# KiCad board panel.kicad_pcb (continued)
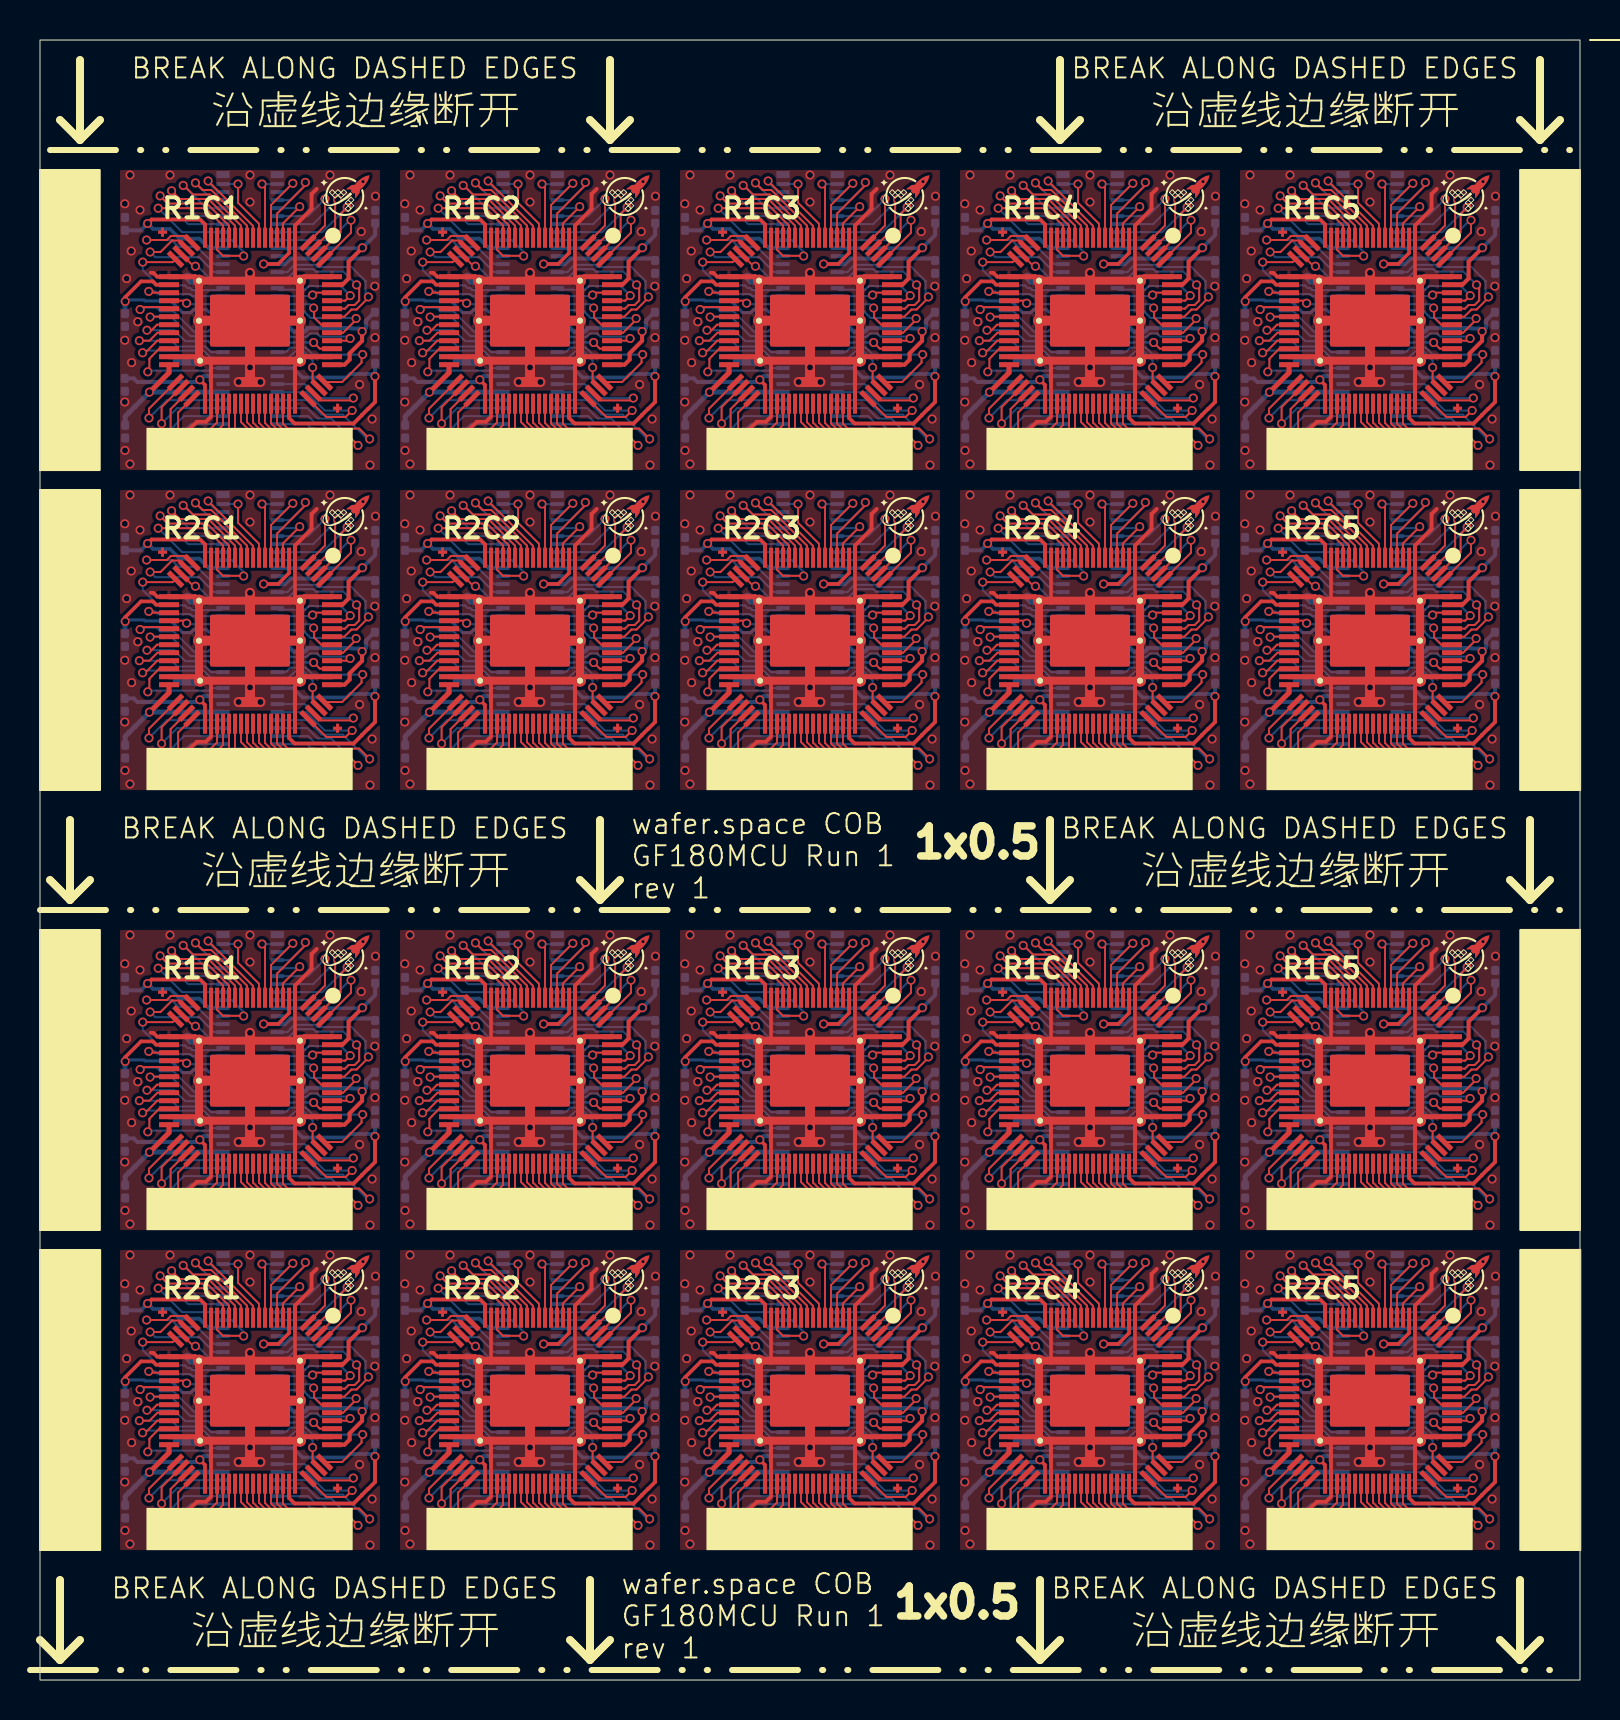
[diagram p0: board, top side]
## Routing (per net, layer and track width the routed paths; a pad name or vN(x,y) marks a point on that pad's centre or on a via; arc(x,y) is an arc through that point) (continued)
VDD_CORE_0: length 128.3
  Top w0.18: U116.41 36.25,48.75 v1(35.99,49.01) ; U118.41 50.25,48.75 v1(49.99,49.01) ; U118#2.41 50.25,10.75 v1(49.99,11.01) ; v1(35.99,11.01) 36.25,10.75 U116#2.41 ; U120#2.41 64.25,48.75 v1(63.99,49.01) ; U106.41 36.25,64.75 v1(35.99,65.01) ; U112#2.41 8.25,10.75 v1(7.99,11.01) ; U108#2.41 50.25,64.75 v1(49.99,65.01) ; v1(63.99,65.01) 64.25,64.75 U110.41 ; v1(7.99,27.01) 8.25,26.75 U102.41 ; v1(7.99,49.01) 8.25,48.75 U112.41 ; v1(21.99,11.01) 22.25,10.75 U114#2.41 ; v1(49.99,27.01) 50.25,26.75 U108.41 ; U104.41 22.25,64.75 v1(21.99,65.01) ; U106#2.41 36.25,26.75 v1(35.99,27.01) ; U102#2.41 8.25,64.75 v1(7.99,65.01) ; v1(63.99,11.01) 64.25,10.75 U120.41 ; v1(21.99,49.01) 22.25,48.75 U114.41 ; v1(63.99,27.01) 64.25,26.75 U110#2.41 ; U104#2.41 22.25,26.75 v1(21.99,27.01)
  Bottom w0.2: U101.46 8.18,27.2 v1(7.99,27.01) 7.88,26.9 4.87,26.9 4.68,27.08 C103.1 ; U111.46 8.18,49.2 v1(7.99,49.01) 7.88,48.9 4.87,48.9 4.68,49.08 C143#2.1 ; C127.1 46.68,65.08 46.87,64.9 49.88,64.9 v1(49.99,65.01) 50.18,65.19 U107#2.46 ; C111.1 18.68,27.08 18.87,26.9 21.88,26.9 v1(21.99,27.01) 22.18,27.2 U103#2.46 ; C135.1 60.68,27.08 60.87,26.9 63.88,26.9 v1(63.99,27.01) 64.18,27.2 U109#2.46 ; C103#2.1 4.68,65.08 4.87,64.9 7.88,64.9 v1(7.99,65.01) 8.18,65.19 U101#2.46 ; U119.46 64.18,11.2 v1(63.99,11.01) 63.88,10.9 60.87,10.9 60.68,11.08 C175#2.1 ; U105#2.46 36.18,65.19 v1(35.99,65.01) 35.88,64.9 32.87,64.9 32.68,65.08 C119#2.1 ; U117#2.46 50.18,49.2 v1(49.99,49.01) 49.88,48.9 46.87,48.9 46.68,49.08 C167#2.1 ; C143.1 4.68,11.08 4.87,10.9 7.88,10.9 v1(7.99,11.01) 8.18,11.2 U111#2.46 ; U115.46 36.18,49.2 v1(35.99,49.01) 35.88,48.9 32.87,48.9 32.68,49.08 C159#2.1 ; U113#2.46 22.18,11.2 v1(21.99,11.01) 21.88,10.9 18.87,10.9 18.68,11.08 C151#2.1 ; C175.1 60.68,49.08 60.87,48.9 63.88,48.9 v1(63.99,49.01) 64.18,49.2 U119#2.46 ; U103.46 22.18,65.19 v1(21.99,65.01) 21.88,64.9 18.87,64.9 18.68,65.08 C111#2.1 ; U115#2.46 36.18,11.2 v1(35.99,11.01) 35.88,10.9 32.87,10.9 32.68,11.08 C159.1 ; U117.46 50.18,11.2 v1(49.99,11.01) 49.88,10.9 46.87,10.9 46.68,11.08 C167.1 ; U113.46 22.18,49.2 v1(21.99,49.01) 21.88,48.9 18.87,48.9 18.68,49.08 C151.1 ; U109.46 64.18,65.19 v1(63.99,65.01) 63.88,64.9 60.87,64.9 60.68,65.08 C135#2.1 ; U107.46 50.18,27.2 v1(49.99,27.01) 49.88,26.9 46.87,26.9 46.68,27.08 C127#2.1 ; U105.46 36.18,27.2 v1(35.99,27.01) 35.88,26.9 32.87,26.9 32.68,27.08 C119.1
VDD_CORE_1: length 159.9
  Top w0.18: 68.45,56.11 68.45,55.34 67.91,54.8 v1(67.18,54.8) ; 40.45,34.11 40.45,33.34 39.9,32.8 v1(39.18,32.8) ; v1(39.18,16.8) 39.9,16.8 40.45,17.34 40.45,18.11 ; 12.45,18.11 12.45,17.34 11.9,16.8 v1(11.18,16.8) ; 68.45,34.11 68.45,33.34 67.91,32.8 v1(67.18,32.8) ; v1(11.18,54.8) 11.9,54.8 12.45,55.34 12.45,56.11 ; 40.45,56.11 40.45,55.34 39.9,54.8 v1(39.18,54.8) ; U106.6 40.45,71.34 39.9,70.8 v1(39.18,70.8) ; v1(53.18,54.8) 53.9,54.8 54.45,55.34 54.45,56.11 ; U104.6 26.45,71.34 25.9,70.8 v1(25.18,70.8) ; 68.45,18.11 68.45,17.34 67.91,16.8 v1(67.18,16.8) ; v1(25.18,32.8) 25.9,32.8 26.45,33.34 26.45,34.11 ; U110.6 68.45,71.34 67.91,70.8 v1(67.18,70.8) ; 54.45,34.11 54.45,33.34 53.9,32.8 v1(53.18,32.8) ; 12.45,34.11 12.45,33.34 11.9,32.8 v1(11.18,32.8) ; 26.45,56.11 26.45,55.34 25.9,54.8 v1(25.18,54.8) ; v1(53.18,16.8) 53.9,16.8 54.45,17.34 54.45,18.11 ; v1(53.18,70.8) 53.9,70.8 54.45,71.34 U108#2.6 ; v1(25.18,16.8) 25.9,16.8 26.45,17.34 26.45,18.11 ; v1(11.18,70.8) 11.9,70.8 12.45,71.34 U102#2.6
  Bottom w0.2: C168#2.1 58.65,17.08 54.53,17.08 54.25,16.8 U117.11 53.86,16.8 v1(53.18,16.8) ; v1(53.18,70.8) 53.86,70.8 U107#2.11 54.25,70.8 54.53,71.08 58.65,71.08 C128#2.1 ; C160#2.1 44.65,55.08 40.53,55.08 40.25,54.8 U115.11 39.86,54.8 v1(39.18,54.8) ; C176#2.1 72.65,55.08 68.53,55.08 68.25,54.8 U119#2.11 67.86,54.8 v1(67.18,54.8) ; v1(39.18,32.8) 39.86,32.8 U105.11 40.25,32.8 40.53,33.08 44.65,33.08 C120.1 ; C144.1 16.65,55.08 12.53,55.08 12.25,54.8 U111.11 11.86,54.8 v1(11.18,54.8) ; C168.1 58.65,55.08 54.53,55.08 54.25,54.8 U117#2.11 53.86,54.8 v1(53.18,54.8) ; v1(11.18,32.8) 11.86,32.8 U101.11 12.25,32.8 12.53,33.08 16.65,33.08 C104.1 ; v1(11.18,70.8) 11.86,70.8 U101#2.11 12.25,70.8 12.53,71.08 16.65,71.08 C104#2.1 ; v1(67.18,32.8) 67.86,32.8 U109#2.11 68.25,32.8 68.53,33.08 72.65,33.08 C136#2.1 ; v1(67.18,16.8) 67.86,16.8 U119.11 68.25,16.8 68.53,17.08 72.65,17.08 C176.1 ; v1(11.18,16.8) 11.86,16.8 U111#2.11 12.25,16.8 12.53,17.08 16.65,17.08 C144#2.1 ; C128.1 58.65,33.08 54.53,33.08 54.25,32.8 U107.11 53.86,32.8 v1(53.18,32.8) ; C120#2.1 44.65,71.08 40.53,71.08 40.25,70.8 U105#2.11 39.86,70.8 v1(39.18,70.8) ; C152.1 30.65,55.08 26.53,55.08 26.25,54.8 U113.11 25.86,54.8 v1(25.18,54.8) ; C152#2.1 30.65,17.08 26.53,17.08 26.25,16.8 U113#2.11 25.86,16.8 v1(25.18,16.8) ; C112.1 30.65,33.08 26.53,33.08 26.25,32.8 U103#2.11 25.86,32.8 v1(25.18,32.8) ; C160.1 44.65,17.08 40.53,17.08 40.25,16.8 U115#2.11 39.86,16.8 v1(39.18,16.8) ; v1(25.18,70.8) 25.86,70.8 U103.11 26.25,70.8 26.53,71.08 30.65,71.08 C112#2.1 ; v1(67.18,70.8) 67.86,70.8 U109.11 68.25,70.8 68.53,71.08 72.65,71.08 C136.1
VDD_IO_0: length 185.5
  Top w0.19: U102#2.20 8.25,72.78 8.01,73.03 5.58,73.03 v1(5.38,72.83) ; v1(33.38,72.83) 33.58,73.03 36.01,73.03 36.25,72.78 U106.20 ; 36.25,56.11 36.25,56.78 36.01,57.03 33.58,57.03 v1(33.38,56.83) ; v1(19.38,34.83) 19.58,35.03 22.01,35.03 22.25,34.78 22.25,34.11 ; v1(61.38,18.83) 61.58,19.03 64,19.03 64.25,18.78 64.25,18.11 ; 36.25,34.11 36.25,34.78 36.01,35.03 33.58,35.03 v1(33.38,34.83) ; U104.20 22.25,72.78 22.01,73.03 19.58,73.03 v1(19.38,72.83) ; 8.25,18.11 8.25,18.78 8.01,19.03 5.58,19.03 v1(5.38,18.83) ; 22.25,56.11 22.25,56.78 22.01,57.03 19.58,57.03 v1(19.38,56.83) ; v1(19.38,18.83) 19.58,19.03 22.01,19.03 22.25,18.78 22.25,18.11 ; 64.25,34.11 64.25,34.78 64,35.03 61.58,35.03 v1(61.38,34.83) ; v1(61.38,56.83) 61.58,57.03 64,57.03 64.25,56.78 64.25,56.11 ; 8.25,56.11 8.25,56.78 8.01,57.03 5.58,57.03 v1(5.38,56.83) ; v1(5.38,34.83) 5.58,35.03 8.01,35.03 8.25,34.78 8.25,34.11 ; 36.25,18.11 36.25,18.78 36.01,19.03 33.58,19.03 v1(33.38,18.83) ; v1(61.38,72.83) 61.58,73.03 64,73.03 64.25,72.78 U110.20 ; U108#2.20 50.25,72.78 50.01,73.03 47.58,73.03 v1(47.38,72.83) ; v1(47.38,56.83) 47.58,57.03 50.01,57.03 50.25,56.78 50.25,56.11 ; v1(47.38,34.83) 47.58,35.03 50.01,35.03 50.25,34.78 50.25,34.11 ; 50.25,18.11 50.25,18.78 50.01,19.03 47.58,19.03 v1(47.38,18.83)
  Bottom w0.19: v1(61.38,18.83) 61.65,18.55 62.5,18.55 62.98,18.07 63.96,18.07 64.44,17.59 U119.62 ; U113#2.62 22.43,17.59 21.96,18.07 20.98,18.07 20.5,18.55 19.65,18.55 v1(19.38,18.83) ; U103.62 22.43,71.59 21.96,72.07 20.98,72.07 20.5,72.55 19.65,72.55 v1(19.38,72.83) ; v1(61.38,56.83) 61.65,56.55 62.5,56.55 62.98,56.07 63.96,56.07 64.44,55.59 U119#2.62 ; U109.62 64.44,71.59 63.96,72.07 62.98,72.07 62.5,72.55 61.65,72.55 v1(61.38,72.83) ; v1(47.38,56.83) 47.65,56.55 48.5,56.55 48.98,56.07 49.96,56.07 50.43,55.59 U117#2.62 ; v1(5.38,18.83) 5.65,18.55 6.5,18.55 6.98,18.07 7.96,18.07 8.43,17.59 U111#2.62 ; U111.62 8.43,55.59 7.96,56.07 6.98,56.07 6.5,56.55 5.65,56.55 v1(5.38,56.83) ; U107#2.62 50.43,71.59 49.96,72.07 48.98,72.07 48.5,72.55 47.65,72.55 v1(47.38,72.83) ; v1(5.38,72.83) 5.65,72.55 6.5,72.55 6.98,72.07 7.96,72.07 8.43,71.59 U101#2.62 ; v1(61.38,34.83) 61.65,34.55 62.5,34.55 62.98,34.07 63.96,34.07 64.44,33.59 U109#2.62 ; v1(33.38,18.83) 33.65,18.55 34.5,18.55 34.98,18.07 35.96,18.07 36.43,17.59 U115#2.62 ; U105#2.62 36.43,71.59 35.96,72.07 34.98,72.07 34.5,72.55 33.65,72.55 v1(33.38,72.83) ; v1(19.38,34.83) 19.65,34.55 20.5,34.55 20.98,34.07 21.96,34.07 22.43,33.59 U103#2.62 ; v1(33.38,56.83) 33.65,56.55 34.5,56.55 34.98,56.07 35.96,56.07 36.43,55.59 U115.62 ; U113.62 22.43,55.59 21.96,56.07 20.98,56.07 20.5,56.55 19.65,56.55 v1(19.38,56.83) ; U101.62 8.43,33.59 7.96,34.07 6.98,34.07 6.5,34.55 5.65,34.55 v1(5.38,34.83) ; U107.62 50.43,33.59 49.96,34.07 48.98,34.07 48.5,34.55 47.65,34.55 v1(47.38,34.83) ; v1(33.38,34.83) 33.65,34.55 34.5,34.55 34.98,34.07 35.96,34.07 36.43,33.59 U105.62 ; v1(47.38,18.83) 47.65,18.55 48.5,18.55 48.98,18.07 49.96,18.07 50.43,17.59 U117.62
  Bottom w0.2: C179#2.1 61.04,18.48 v1(61.38,18.83) ; v1(47.38,56.83) 47.04,56.48 C171.1 ; C139.1 61.04,34.48 v1(61.38,34.83) ; C115.1 19.04,34.48 v1(19.38,34.83) ; C155.1 19.04,56.48 v1(19.38,56.83) ; C139#2.1 61.04,72.48 v1(61.38,72.83) ; v1(19.38,18.83) 19.04,18.48 C155#2.1 ; v1(5.38,72.83) 5.04,72.48 C107.1 ; C123#2.1 33.04,72.48 v1(33.38,72.83) ; C123.1 33.04,34.48 v1(33.38,34.83) ; C131.1 47.04,72.48 v1(47.38,72.83) ; C131#2.1 47.04,34.48 v1(47.38,34.83) ; C115#2.1 19.04,72.48 v1(19.38,72.83) ; v1(33.38,18.83) 33.04,18.48 C163#2.1 ; v1(5.38,34.83) 5.04,34.48 C107#2.1 ; C147#2.1 5.04,18.48 v1(5.38,18.83) ; v1(61.38,56.83) 61.04,56.48 C179.1 ; v1(33.38,56.83) 33.04,56.48 C163.1 ; C147.1 5.04,56.48 v1(5.38,56.83) ; v1(47.38,18.83) 47.04,18.48 C171#2.1
VDD_IO_1: length 152.3
  Top w0.25: U112#2.36 6.45,11.37 5.48,10.39 v1(5.48,10.39) ; U106.36 34.45,65.37 33.48,64.4 v1(33.48,64.4) ; U112.36 6.45,49.37 5.48,48.39 v1(5.48,48.39) ; U106#2.36 34.45,27.37 33.48,26.39 v1(33.48,26.39) ; v1(61.48,48.39) 61.48,48.39 62.45,49.37 U120#2.36 ; v1(19.48,64.4) 19.48,64.4 20.45,65.37 U104.36 ; U110.36 62.45,65.37 61.48,64.4 v1(61.48,64.4) ; U108.36 48.45,27.37 47.48,26.39 v1(47.48,26.39) ; v1(33.48,10.39) 33.48,10.39 34.45,11.37 U116#2.36 ; U118#2.36 48.45,11.37 47.48,10.39 v1(47.48,10.39) ; v1(19.48,10.39) 19.48,10.39 20.45,11.37 U114#2.36 ; U108#2.36 48.45,65.37 47.48,64.4 v1(47.48,64.4) ; U102.36 6.45,27.37 5.48,26.39 v1(5.48,26.39) ; U104#2.36 20.45,27.37 19.48,26.39 v1(19.48,26.39) ; v1(5.48,64.4) 5.48,64.4 6.45,65.37 U102#2.36 ; v1(33.48,48.39) 33.48,48.39 34.45,49.37 U116.36 ; U118.36 48.45,49.37 47.48,48.39 v1(47.48,48.39) ; U110#2.36 62.45,27.37 61.48,26.39 v1(61.48,26.39) ; v1(61.48,10.39) 61.48,10.39 62.45,11.37 U120.36 ; U114.36 20.45,49.37 19.48,48.39 v1(19.48,48.39)
  Bottom w0.25: 37.15,26.39 v1(33.48,26.39) 32.76,25.69 32.76,25.68 32.46,25.38 32.46,25.38 32.26,25.18 C117#2.1 ; C101.1 4.26,63.18 4.46,63.38 4.46,63.38 4.76,63.68 4.76,63.69 v1(5.48,64.4) U101#2.44 ; C173#2.1 60.26,47.18 60.46,47.38 60.46,47.38 60.76,47.68 60.76,47.69 v1(61.48,48.39) 65.16,48.39 ; U107#2.44 v1(47.48,64.4) 46.76,63.69 46.76,63.68 46.46,63.38 46.46,63.38 46.26,63.18 C125#2.1 ; 51.15,10.39 v1(47.48,10.39) 46.76,9.69 46.76,9.68 46.46,9.38 46.46,9.38 46.26,9.18 C165#2.1 ; C157.1 32.26,47.18 32.46,47.38 32.46,47.38 32.76,47.68 32.76,47.69 v1(33.48,48.39) 37.15,48.39 ; 23.15,48.39 v1(19.48,48.39) 18.76,47.69 18.76,47.68 18.46,47.38 18.46,47.38 18.26,47.18 C149.1 ; U109.44 v1(61.48,64.4) 60.76,63.69 60.76,63.68 60.46,63.38 60.46,63.38 60.26,63.18 C133.1 ; 51.15,26.39 v1(47.48,26.39) 46.76,25.69 46.76,25.68 46.46,25.38 46.46,25.38 46.26,25.18 C125.1 ; C109#2.1 18.26,25.18 18.46,25.38 18.46,25.38 18.76,25.68 18.76,25.69 v1(19.48,26.39) 23.15,26.39 ; U103.44 v1(19.48,64.4) 18.76,63.69 18.76,63.68 18.46,63.38 18.46,63.38 18.26,63.18 C109.1 ; 51.15,48.39 v1(47.48,48.39) 46.76,47.69 46.76,47.68 46.46,47.38 46.46,47.38 46.26,47.18 C165.1 ; 9.15,10.39 v1(5.48,10.39) 4.76,9.69 4.76,9.68 4.46,9.38 4.46,9.38 4.26,9.18 C141.1 ; C141#2.1 4.26,47.18 4.46,47.38 4.46,47.38 4.76,47.68 4.76,47.69 v1(5.48,48.39) 9.15,48.39 ; C117.1 32.26,63.18 32.46,63.38 32.46,63.38 32.76,63.68 32.76,63.69 v1(33.48,64.4) U105#2.44 ; 37.15,10.39 v1(33.48,10.39) 32.76,9.69 32.76,9.68 32.46,9.38 32.46,9.38 32.26,9.18 C157#2.1 ; 65.16,10.39 v1(61.48,10.39) 60.76,9.69 60.76,9.68 60.46,9.38 60.46,9.38 60.26,9.18 C173.1 ; 23.15,10.39 v1(19.48,10.39) 18.76,9.69 18.76,9.68 18.46,9.38 18.46,9.38 18.26,9.18 C149#2.1 ; C133#2.1 60.26,25.18 60.46,25.38 60.46,25.38 60.76,25.68 60.76,25.69 v1(61.48,26.39) 65.16,26.39 ; C101#2.1 4.26,25.18 4.46,25.38 4.46,25.38 4.76,25.68 4.76,25.69 v1(5.48,26.39) 9.15,26.39
VDD_IO_2: length 254.3
  Top w0.19: U114.55 26.45,47.11 26.73,46.83 29.68,46.83 30.1,47.25 30.1,47.26 30.4,47.55 30.4,47.55 30.75,47.89 v1(30.75,49.18) ; U116.55 40.45,47.11 40.73,46.83 43.68,46.83 44.1,47.25 44.1,47.26 44.4,47.55 44.4,47.55 44.75,47.89 v1(44.75,49.18) ; v1(44.75,11.18) 44.75,9.89 44.4,9.55 44.4,9.55 44.1,9.26 44.1,9.25 43.68,8.83 40.73,8.83 40.45,9.11 U116#2.55 ; v1(30.75,27.18) 30.75,25.89 30.4,25.55 30.4,25.55 30.1,25.26 30.1,25.25 29.68,24.83 26.73,24.83 26.45,25.11 U104#2.55 ; v1(16.75,49.18) 16.75,47.89 16.4,47.55 16.4,47.55 16.1,47.26 16.1,47.25 15.68,46.83 12.73,46.83 12.45,47.11 U112.55 ; v1(58.75,49.18) 58.75,47.89 58.4,47.55 58.4,47.55 58.1,47.26 58.1,47.25 57.68,46.83 54.73,46.83 54.45,47.11 U118.55 ; v1(58.75,65.18) 58.75,63.9 58.4,63.55 58.4,63.55 58.1,63.26 58.1,63.25 57.68,62.83 54.73,62.83 54.45,63.11 U108#2.55 ; v1(16.75,27.18) 16.75,25.89 16.4,25.55 16.4,25.55 16.1,25.26 16.1,25.25 15.68,24.83 12.73,24.83 12.45,25.11 U102.55 ; v1(16.75,11.18) 16.75,9.89 16.4,9.55 16.4,9.55 16.1,9.26 16.1,9.25 15.68,8.83 12.73,8.83 12.45,9.11 U112#2.55 ; U120.55 68.45,9.11 68.73,8.83 71.68,8.83 72.11,9.25 72.11,9.26 72.4,9.55 72.41,9.55 72.75,9.89 v1(72.75,11.18) ; v1(16.75,65.18) 16.75,63.9 16.4,63.55 16.4,63.55 16.1,63.26 16.1,63.25 15.68,62.83 12.73,62.83 12.45,63.11 U102#2.55 ; v1(30.75,65.18) 30.75,63.9 30.4,63.55 30.4,63.55 30.1,63.26 30.1,63.25 29.68,62.83 26.73,62.83 26.45,63.11 U104.55 ; v1(44.75,65.18) 44.75,63.9 44.4,63.55 44.4,63.55 44.1,63.26 44.1,63.25 43.68,62.83 40.73,62.83 40.45,63.11 U106.55 ; U114#2.55 26.45,9.11 26.73,8.83 29.68,8.83 30.1,9.25 30.1,9.26 30.4,9.55 30.4,9.55 30.75,9.89 v1(30.75,11.18) ; U110#2.55 68.45,25.11 68.73,24.83 71.68,24.83 72.11,25.25 72.11,25.26 72.4,25.55 72.41,25.55 72.75,25.89 v1(72.75,27.18) ; U108.55 54.45,25.11 54.73,24.83 57.68,24.83 58.1,25.25 58.1,25.26 58.4,25.55 58.4,25.55 58.75,25.89 v1(58.75,27.18) ; U120#2.55 68.45,47.11 68.73,46.83 71.68,46.83 72.11,47.25 72.11,47.26 72.4,47.55 72.41,47.55 72.75,47.89 v1(72.75,49.18) ; v1(72.75,65.18) 72.75,63.9 72.41,63.55 72.4,63.55 72.11,63.26 72.11,63.25 71.68,62.83 68.73,62.83 68.45,63.11 U110.55 ; v1(44.75,27.18) 44.75,25.89 44.4,25.55 44.4,25.55 44.1,25.26 44.1,25.25 43.68,24.83 40.73,24.83 40.45,25.11 U106#2.55 ; U118#2.55 54.45,9.11 54.73,8.83 57.68,8.83 58.1,9.25 58.1,9.26 58.4,9.55 58.4,9.55 58.75,9.89 v1(58.75,11.18)
  Bottom w0.18: U111#2.24 12.66,11.59 13.13,11.12 15.33,11.12 15.5,11.3 16.63,11.3 v1(16.75,11.18) ; v1(44.75,11.18) 44.63,11.3 43.5,11.3 43.33,11.12 41.13,11.12 40.66,11.59 U115#2.24 ; U111.24 12.66,49.59 13.13,49.12 15.33,49.12 15.5,49.3 16.63,49.3 v1(16.75,49.18) ; v1(30.75,11.18) 30.63,11.3 29.5,11.3 29.33,11.12 27.13,11.12 26.66,11.59 U113#2.24 ; U107#2.24 54.66,65.59 55.13,65.12 57.33,65.12 57.5,65.3 58.63,65.3 v1(58.75,65.18) ; U107.24 54.66,27.59 55.13,27.12 57.33,27.12 57.5,27.3 58.63,27.3 v1(58.75,27.18) ; U101.24 12.66,27.59 13.13,27.12 15.33,27.12 15.5,27.3 16.63,27.3 v1(16.75,27.18) ; v1(44.75,27.18) 44.63,27.3 43.5,27.3 43.33,27.12 41.13,27.12 40.66,27.59 U105.24 ; v1(44.75,65.18) 44.63,65.3 43.5,65.3 43.33,65.12 41.13,65.12 40.66,65.59 U105#2.24 ; U101#2.24 12.66,65.59 13.13,65.12 15.33,65.12 15.5,65.3 16.63,65.3 v1(16.75,65.18) ; U117#2.24 54.66,49.59 55.13,49.12 57.33,49.12 57.5,49.3 58.63,49.3 v1(58.75,49.18) ; v1(72.75,11.18) 72.63,11.3 71.5,11.3 71.33,11.12 69.13,11.12 68.66,11.59 U119.24 ; U115.24 40.66,49.59 41.13,49.12 43.33,49.12 43.5,49.3 44.63,49.3 v1(44.75,49.18) ; v1(72.75,49.18) 72.63,49.3 71.5,49.3 71.33,49.12 69.13,49.12 68.66,49.59 U119#2.24 ; v1(30.75,49.18) 30.63,49.3 29.5,49.3 29.33,49.12 27.13,49.12 26.66,49.59 U113.24 ; U109#2.24 68.66,27.59 69.13,27.12 71.33,27.12 71.5,27.3 72.63,27.3 v1(72.75,27.18) ; U109.24 68.66,65.59 69.13,65.12 71.33,65.12 71.5,65.3 72.63,65.3 v1(72.75,65.18) ; v1(58.75,11.18) 58.63,11.3 57.5,11.3 57.33,11.12 55.13,11.12 54.66,11.59 U117.24 ; U103#2.24 26.66,27.59 27.13,27.12 29.33,27.12 29.5,27.3 30.63,27.3 v1(30.75,27.18) ; U103.24 26.66,65.59 27.13,65.12 29.33,65.12 29.5,65.3 30.63,65.3 v1(30.75,65.18)
  Bottom w0.2: v1(58.75,11.18) 58.75,11.83 ; v1(58.75,49.18) 58.75,49.83 ; v1(30.75,49.18) 30.75,49.83 ; v1(16.75,27.18) 16.75,27.83 ; v1(30.75,27.18) 30.75,27.83 ; v1(30.75,65.18) C116.1 ; v1(72.75,65.18) C140.1 ; v1(58.75,65.18) C132.1 ; v1(16.75,65.18) C108#2.1 ; v1(72.75,11.18) 72.75,11.83 ; v1(44.75,11.18) 44.75,11.83 ; v1(72.75,49.18) 72.75,49.83 ; v1(72.75,27.18) 72.75,27.83 ; v1(58.75,27.18) 58.75,27.83 ; v1(16.75,11.18) 16.75,11.83 ; v1(44.75,65.18) C124.1 ; v1(16.75,49.18) 16.75,49.83 ; v1(30.75,11.18) 30.75,11.83 ; v1(44.75,49.18) 44.75,49.83 ; v1(44.75,27.18) 44.75,27.83
VDD_IO_3: length 170.7
  Top w0.2: U102#2.71 15.12,69.77 15.43,70.08 15.43,70.92 v1(16.12,71.61) ; v1(44.12,71.61) 43.43,70.92 43.43,70.08 43.12,69.77 U106.71 ; U114.71 29.12,53.77 29.43,54.08 29.43,54.92 v1(30.12,55.61) ; U120.71 71.12,15.77 71.43,16.08 71.43,16.92 v1(72.12,17.61) ; v1(16.12,33.61) 15.43,32.92 15.43,32.08 15.12,31.77 U102.71 ; v1(44.12,55.61) 43.43,54.92 43.43,54.08 43.12,53.77 U116.71 ; v1(30.12,33.61) 29.43,32.92 29.43,32.08 29.12,31.77 U104#2.71 ; v1(30.12,17.61) 29.43,16.92 29.43,16.08 29.12,15.77 U114#2.71 ; U112#2.71 15.12,15.77 15.43,16.08 15.43,16.92 v1(16.12,17.61) ; U118#2.71 57.12,15.77 57.43,16.08 57.43,16.92 v1(58.12,17.61) ; U104.71 29.12,69.77 29.43,70.08 29.43,70.92 v1(30.12,71.61) ; v1(72.12,55.61) 71.43,54.92 71.43,54.08 71.12,53.77 U120#2.71 ; U116#2.71 43.12,15.77 43.43,16.08 43.43,16.92 v1(44.12,17.61) ; v1(16.12,55.61) 15.43,54.92 15.43,54.08 15.12,53.77 U112.71 ; U108#2.71 57.12,69.77 57.43,70.08 57.43,70.92 v1(58.12,71.61) ; v1(58.12,55.61) 57.43,54.92 57.43,54.08 57.12,53.77 U118.71 ; v1(44.12,33.61) 43.43,32.92 43.43,32.08 43.12,31.77 U106#2.71 ; v1(72.12,33.61) 71.43,32.92 71.43,32.08 71.12,31.77 U110#2.71 ; v1(72.12,71.61) 71.43,70.92 71.43,70.08 71.12,69.77 U110.71 ; v1(58.12,33.61) 57.43,32.92 57.43,32.08 57.12,31.77 U108.71
  Bottom w0.18: U107.9 58.1,33.59 v1(58.12,33.61) ; U117#2.9 58.1,55.59 v1(58.12,55.61) ; U107#2.9 58.1,71.59 v1(58.12,71.61) ; U119.9 72.11,17.59 v1(72.12,17.61) ; v1(16.12,33.61) 16.1,33.59 U101.9 ; v1(30.12,55.61) 30.1,55.59 U113.9 ; U103.9 30.1,71.59 v1(30.12,71.61) ; v1(16.12,71.61) 16.1,71.59 U101#2.9 ; U105.9 44.1,33.59 v1(44.12,33.61) ; U119#2.9 72.11,55.59 v1(72.12,55.61) ; U105#2.9 44.1,71.59 v1(44.12,71.61) ; U115.9 44.1,55.59 v1(44.12,55.61) ; U109#2.9 72.11,33.59 v1(72.12,33.61) ; U117.9 58.1,17.59 v1(58.12,17.61) ; v1(30.12,33.61) 30.1,33.59 U103#2.9 ; U109.9 72.11,71.59 v1(72.12,71.61) ; v1(16.12,55.61) 16.1,55.59 U111.9 ; v1(44.12,17.61) 44.1,17.59 U115#2.9 ; v1(16.12,17.61) 16.1,17.59 U111#2.9 ; U113#2.9 30.1,17.59 v1(30.12,17.61)
  Bottom w0.2: C158#2.1 44.76,18.25 v1(44.12,17.61) ; C142.1 16.76,18.25 v1(16.12,17.61) ; C118.1 44.76,72.25 v1(44.12,71.61) ; C142#2.1 16.76,56.25 v1(16.12,55.61) ; C126.1 58.76,72.25 v1(58.12,71.61) ; v1(30.12,33.61) 30.76,34.25 C110#2.1 ; v1(44.12,55.61) 44.76,56.25 C158.1 ; v1(72.12,71.61) 72.76,72.25 C134.1 ; C174#2.1 72.76,18.25 v1(72.12,17.61) ; C134#2.1 72.76,34.25 v1(72.12,33.61) ; C150.1 30.76,18.25 v1(30.12,17.61) ; C174.1 72.76,56.25 v1(72.12,55.61) ; C126#2.1 58.76,34.25 v1(58.12,33.61) ; C102#2.1 16.76,34.25 v1(16.12,33.61) ; v1(58.12,17.61) 58.76,18.25 C166#2.1 ; C150#2.1 30.76,56.25 v1(30.12,55.61) ; C118#2.1 44.76,34.25 v1(44.12,33.61) ; v1(30.12,71.61) 30.76,72.25 C110.1 ; C102.1 16.76,72.25 v1(16.12,71.61) ; v1(58.12,55.61) 58.76,56.25 C166.1
/an_0: length 58.1
  Top w0.1: U112#2.63 13.99,12.56 v1(13.68,12.88) ; v1(13.68,66.88) 13.99,66.56 U102#2.63 ; v1(41.68,28.88) 41.99,28.56 U106#2.63 ; v1(69.68,12.88) 69.99,12.56 U120.63 ; U104#2.63 27.99,28.56 v1(27.68,28.88) ; v1(41.68,66.88) 41.99,66.56 U106.63 ; U102.63 13.99,28.56 v1(13.68,28.88) ; U110#2.63 69.99,28.56 v1(69.68,28.88) ; U118#2.63 55.99,12.56 v1(55.68,12.88) ; U120#2.63 69.99,50.56 v1(69.68,50.88) ; v1(55.68,28.88) 55.99,28.56 U108.63 ; v1(69.68,66.88) 69.99,66.56 U110.63 ; v1(55.68,50.88) 55.99,50.56 U118.63 ; U114#2.63 27.99,12.56 v1(27.68,12.88) ; v1(13.68,50.88) 13.99,50.56 U112.63 ; U114.63 27.99,50.56 v1(27.68,50.88) ; v1(41.68,50.88) 41.99,50.56 U116.63 ; v1(55.68,66.88) 55.99,66.56 U108#2.63 ; v1(41.68,12.88) 41.99,12.56 U116#2.63 ; U104.63 27.99,66.56 v1(27.68,66.88)
  Bottom w0.1: U107.21 54.35,28.8 54.43,28.88 54.7,28.88 54.7,28.88 55.31,28.88 55.32,28.88 v1(55.68,28.88) ; U107#2.21 54.35,66.8 54.43,66.88 54.7,66.88 54.7,66.88 55.31,66.88 55.32,66.88 v1(55.68,66.88) ; v1(41.68,12.88) 41.32,12.88 41.31,12.88 40.7,12.88 40.7,12.88 40.43,12.88 40.35,12.8 U115#2.21 ; U117.21 54.35,12.8 54.43,12.88 54.7,12.88 54.7,12.88 55.31,12.88 55.32,12.88 v1(55.68,12.88) ; v1(27.68,28.88) 27.32,28.88 27.31,28.88 26.7,28.88 26.7,28.88 26.43,28.88 26.35,28.8 U103#2.21 ; v1(41.68,66.88) 41.32,66.88 41.31,66.88 40.7,66.88 40.7,66.88 40.43,66.88 40.35,66.8 U105#2.21 ; U101.21 12.35,28.8 12.43,28.88 12.7,28.88 12.7,28.88 13.31,28.88 13.32,28.88 v1(13.68,28.88) ; U103.21 26.35,66.8 26.43,66.88 26.7,66.88 26.7,66.88 27.31,66.88 27.32,66.88 v1(27.68,66.88) ; U105.21 40.35,28.8 40.43,28.88 40.7,28.88 40.7,28.88 41.31,28.88 41.32,28.88 v1(41.68,28.88) ; U109.21 68.36,66.8 68.44,66.88 68.7,66.88 68.7,66.88 69.31,66.88 69.32,66.88 v1(69.68,66.88) ; v1(13.68,50.88) 13.32,50.88 13.31,50.88 12.7,50.88 12.7,50.88 12.43,50.88 12.35,50.8 U111.21 ; U115.21 40.35,50.8 40.43,50.88 40.7,50.88 40.7,50.88 41.31,50.88 41.32,50.88 v1(41.68,50.88) ; U109#2.21 68.36,28.8 68.44,28.88 68.7,28.88 68.7,28.88 69.31,28.88 69.32,28.88 v1(69.68,28.88) ; U113#2.21 26.35,12.8 26.43,12.88 26.7,12.88 26.7,12.88 27.31,12.88 27.32,12.88 v1(27.68,12.88) ; U119#2.21 68.36,50.8 68.44,50.88 68.7,50.88 68.7,50.88 69.31,50.88 69.32,50.88 v1(69.68,50.88) ; U111#2.21 12.35,12.8 12.43,12.88 12.7,12.88 12.7,12.88 13.31,12.88 13.32,12.88 v1(13.68,12.88) ; v1(27.68,50.88) 27.32,50.88 27.31,50.88 26.7,50.88 26.7,50.88 26.43,50.88 26.35,50.8 U113.21 ; U119.21 68.36,12.8 68.44,12.88 68.7,12.88 68.7,12.88 69.31,12.88 69.32,12.88 v1(69.68,12.88) ; v1(13.68,66.88) 13.32,66.88 13.31,66.88 12.7,66.88 12.7,66.88 12.43,66.88 12.35,66.8 U101#2.21 ; v1(55.68,50.88) 55.32,50.88 55.31,50.88 54.7,50.88 54.7,50.88 54.43,50.88 54.35,50.8 U117#2.21
/an_1: length 95.6
  Top w0.1: v1(29.51,13.08) 29.4,12.97 U114#2.64 ; U112#2.64 15.4,12.97 v1(15.51,13.08) ; v1(15.51,67.08) 15.4,66.97 U102#2.64 ; v1(57.51,13.08) 57.4,12.97 U118#2.64 ; v1(15.51,29.08) 15.4,28.97 U102.64 ; U120.64 71.4,12.97 v1(71.5,13.08) ; U104#2.64 29.4,28.97 v1(29.51,29.08) ; U114.64 29.4,50.97 v1(29.51,51.08) ; U116#2.64 43.4,12.97 v1(43.51,13.08) ; v1(43.51,67.08) 43.4,66.97 U106.64 ; U116.64 43.4,50.97 v1(43.51,51.08) ; U110#2.64 71.4,28.97 v1(71.5,29.08) ; U110.64 71.4,66.97 v1(71.5,67.08) ; v1(15.51,51.08) 15.4,50.97 U112.64 ; U106#2.64 43.4,28.97 v1(43.51,29.08) ; v1(57.51,67.08) 57.4,66.97 U108#2.64 ; U118.64 57.4,50.97 v1(57.51,51.08) ; U120#2.64 71.4,50.97 v1(71.5,51.08) ; U108.64 57.4,28.97 v1(57.51,29.08) ; U104.64 29.4,66.97 v1(29.51,67.08)
  Bottom w0.1: v1(71.5,13.08) 71.41,13.17 70.02,13.17 69.93,13.26 69.92,13.26 69.86,13.33 69.49,13.33 69.33,13.16 68.59,13.16 68.57,13.17 68.46,13.17 68.44,13.2 U119.20 ; U101.20 12.43,29.2 12.46,29.17 12.57,29.17 12.59,29.16 13.33,29.16 13.49,29.33 13.85,29.33 13.92,29.26 13.93,29.26 14.02,29.17 15.4,29.17 v1(15.51,29.08) ; v1(15.51,67.08) 15.4,67.17 14.02,67.17 13.93,67.26 13.92,67.26 13.85,67.33 13.49,67.33 13.33,67.16 12.59,67.16 12.57,67.17 12.46,67.17 12.43,67.19 U101#2.20 ; U105.20 40.43,29.2 40.46,29.17 40.57,29.17 40.59,29.16 41.33,29.16 41.49,29.33 41.85,29.33 41.92,29.26 41.93,29.26 42.02,29.17 43.4,29.17 v1(43.51,29.08) ; v1(57.51,29.08) 57.4,29.17 56.02,29.17 55.93,29.26 55.92,29.26 55.85,29.33 55.49,29.33 55.33,29.16 54.59,29.16 54.57,29.17 54.46,29.17 54.43,29.2 U107.20 ; v1(29.51,29.08) 29.4,29.17 28.02,29.17 27.93,29.26 27.92,29.26 27.85,29.33 27.49,29.33 27.33,29.16 26.59,29.16 26.57,29.17 26.46,29.17 26.43,29.2 U103#2.20 ; v1(43.51,51.08) 43.4,51.17 42.02,51.17 41.93,51.26 41.92,51.26 41.85,51.33 41.49,51.33 41.33,51.16 40.59,51.16 40.57,51.17 40.46,51.17 40.43,51.2 U115.20 ; U109.20 68.44,67.19 68.46,67.17 68.57,67.17 68.59,67.16 69.33,67.16 69.49,67.33 69.86,67.33 69.92,67.26 69.93,67.26 70.02,67.17 71.41,67.17 v1(71.5,67.08) ; v1(57.51,51.08) 57.4,51.17 56.02,51.17 55.93,51.26 55.92,51.26 55.85,51.33 55.49,51.33 55.33,51.16 54.59,51.16 54.57,51.17 54.46,51.17 54.43,51.2 U117#2.20 ; U105#2.20 40.43,67.19 40.46,67.17 40.57,67.17 40.59,67.16 41.33,67.16 41.49,67.33 41.85,67.33 41.92,67.26 41.93,67.26 42.02,67.17 43.4,67.17 v1(43.51,67.08) ; v1(71.5,29.08) 71.41,29.17 70.02,29.17 69.93,29.26 69.92,29.26 69.86,29.33 69.49,29.33 69.33,29.16 68.59,29.16 68.57,29.17 68.46,29.17 68.44,29.2 U109#2.20 ; U115#2.20 40.43,13.2 40.46,13.17 40.57,13.17 40.59,13.16 41.33,13.16 41.49,13.33 41.85,13.33 41.92,13.26 41.93,13.26 42.02,13.17 43.4,13.17 v1(43.51,13.08) ; U111.20 12.43,51.2 12.46,51.17 12.57,51.17 12.59,51.16 13.33,51.16 13.49,51.33 13.85,51.33 13.92,51.26 13.93,51.26 14.02,51.17 15.4,51.17 v1(15.51,51.08) ; v1(57.51,67.08) 57.4,67.17 56.02,67.17 55.93,67.26 55.92,67.26 55.85,67.33 55.49,67.33 55.33,67.16 54.59,67.16 54.57,67.17 54.46,67.17 54.43,67.19 U107#2.20 ; U113#2.20 26.43,13.2 26.46,13.17 26.57,13.17 26.59,13.16 27.33,13.16 27.49,13.33 27.85,13.33 27.92,13.26 27.93,13.26 28.02,13.17 29.4,13.17 v1(29.51,13.08) ; v1(29.51,67.08) 29.4,67.17 28.02,67.17 27.93,67.26 27.92,67.26 27.85,67.33 27.49,67.33 27.33,67.16 26.59,67.16 26.57,67.17 26.46,67.17 26.43,67.19 U103.20 ; U117.20 54.43,13.2 54.46,13.17 54.57,13.17 54.59,13.16 55.33,13.16 55.49,13.33 55.85,13.33 55.92,13.26 55.93,13.26 56.02,13.17 57.4,13.17 v1(57.51,13.08) ; v1(15.51,13.08) 15.4,13.17 14.02,13.17 13.93,13.26 13.92,13.26 13.85,13.33 13.49,13.33 13.33,13.16 12.59,13.16 12.57,13.17 12.46,13.17 12.43,13.2 U111#2.20 ; U119#2.20 68.44,51.2 68.46,51.17 68.57,51.17 68.59,51.16 69.33,51.16 69.49,51.33 69.86,51.33 69.92,51.26 69.93,51.26 70.02,51.17 71.41,51.17 v1(71.5,51.08) ; v1(29.51,51.08) 29.4,51.17 28.02,51.17 27.93,51.26 27.92,51.26 27.85,51.33 27.49,51.33 27.33,51.16 26.59,51.16 26.57,51.17 26.46,51.17 26.43,51.2 U113.20